# KiCad board Duet3_MB.kicad_pcb (continued)
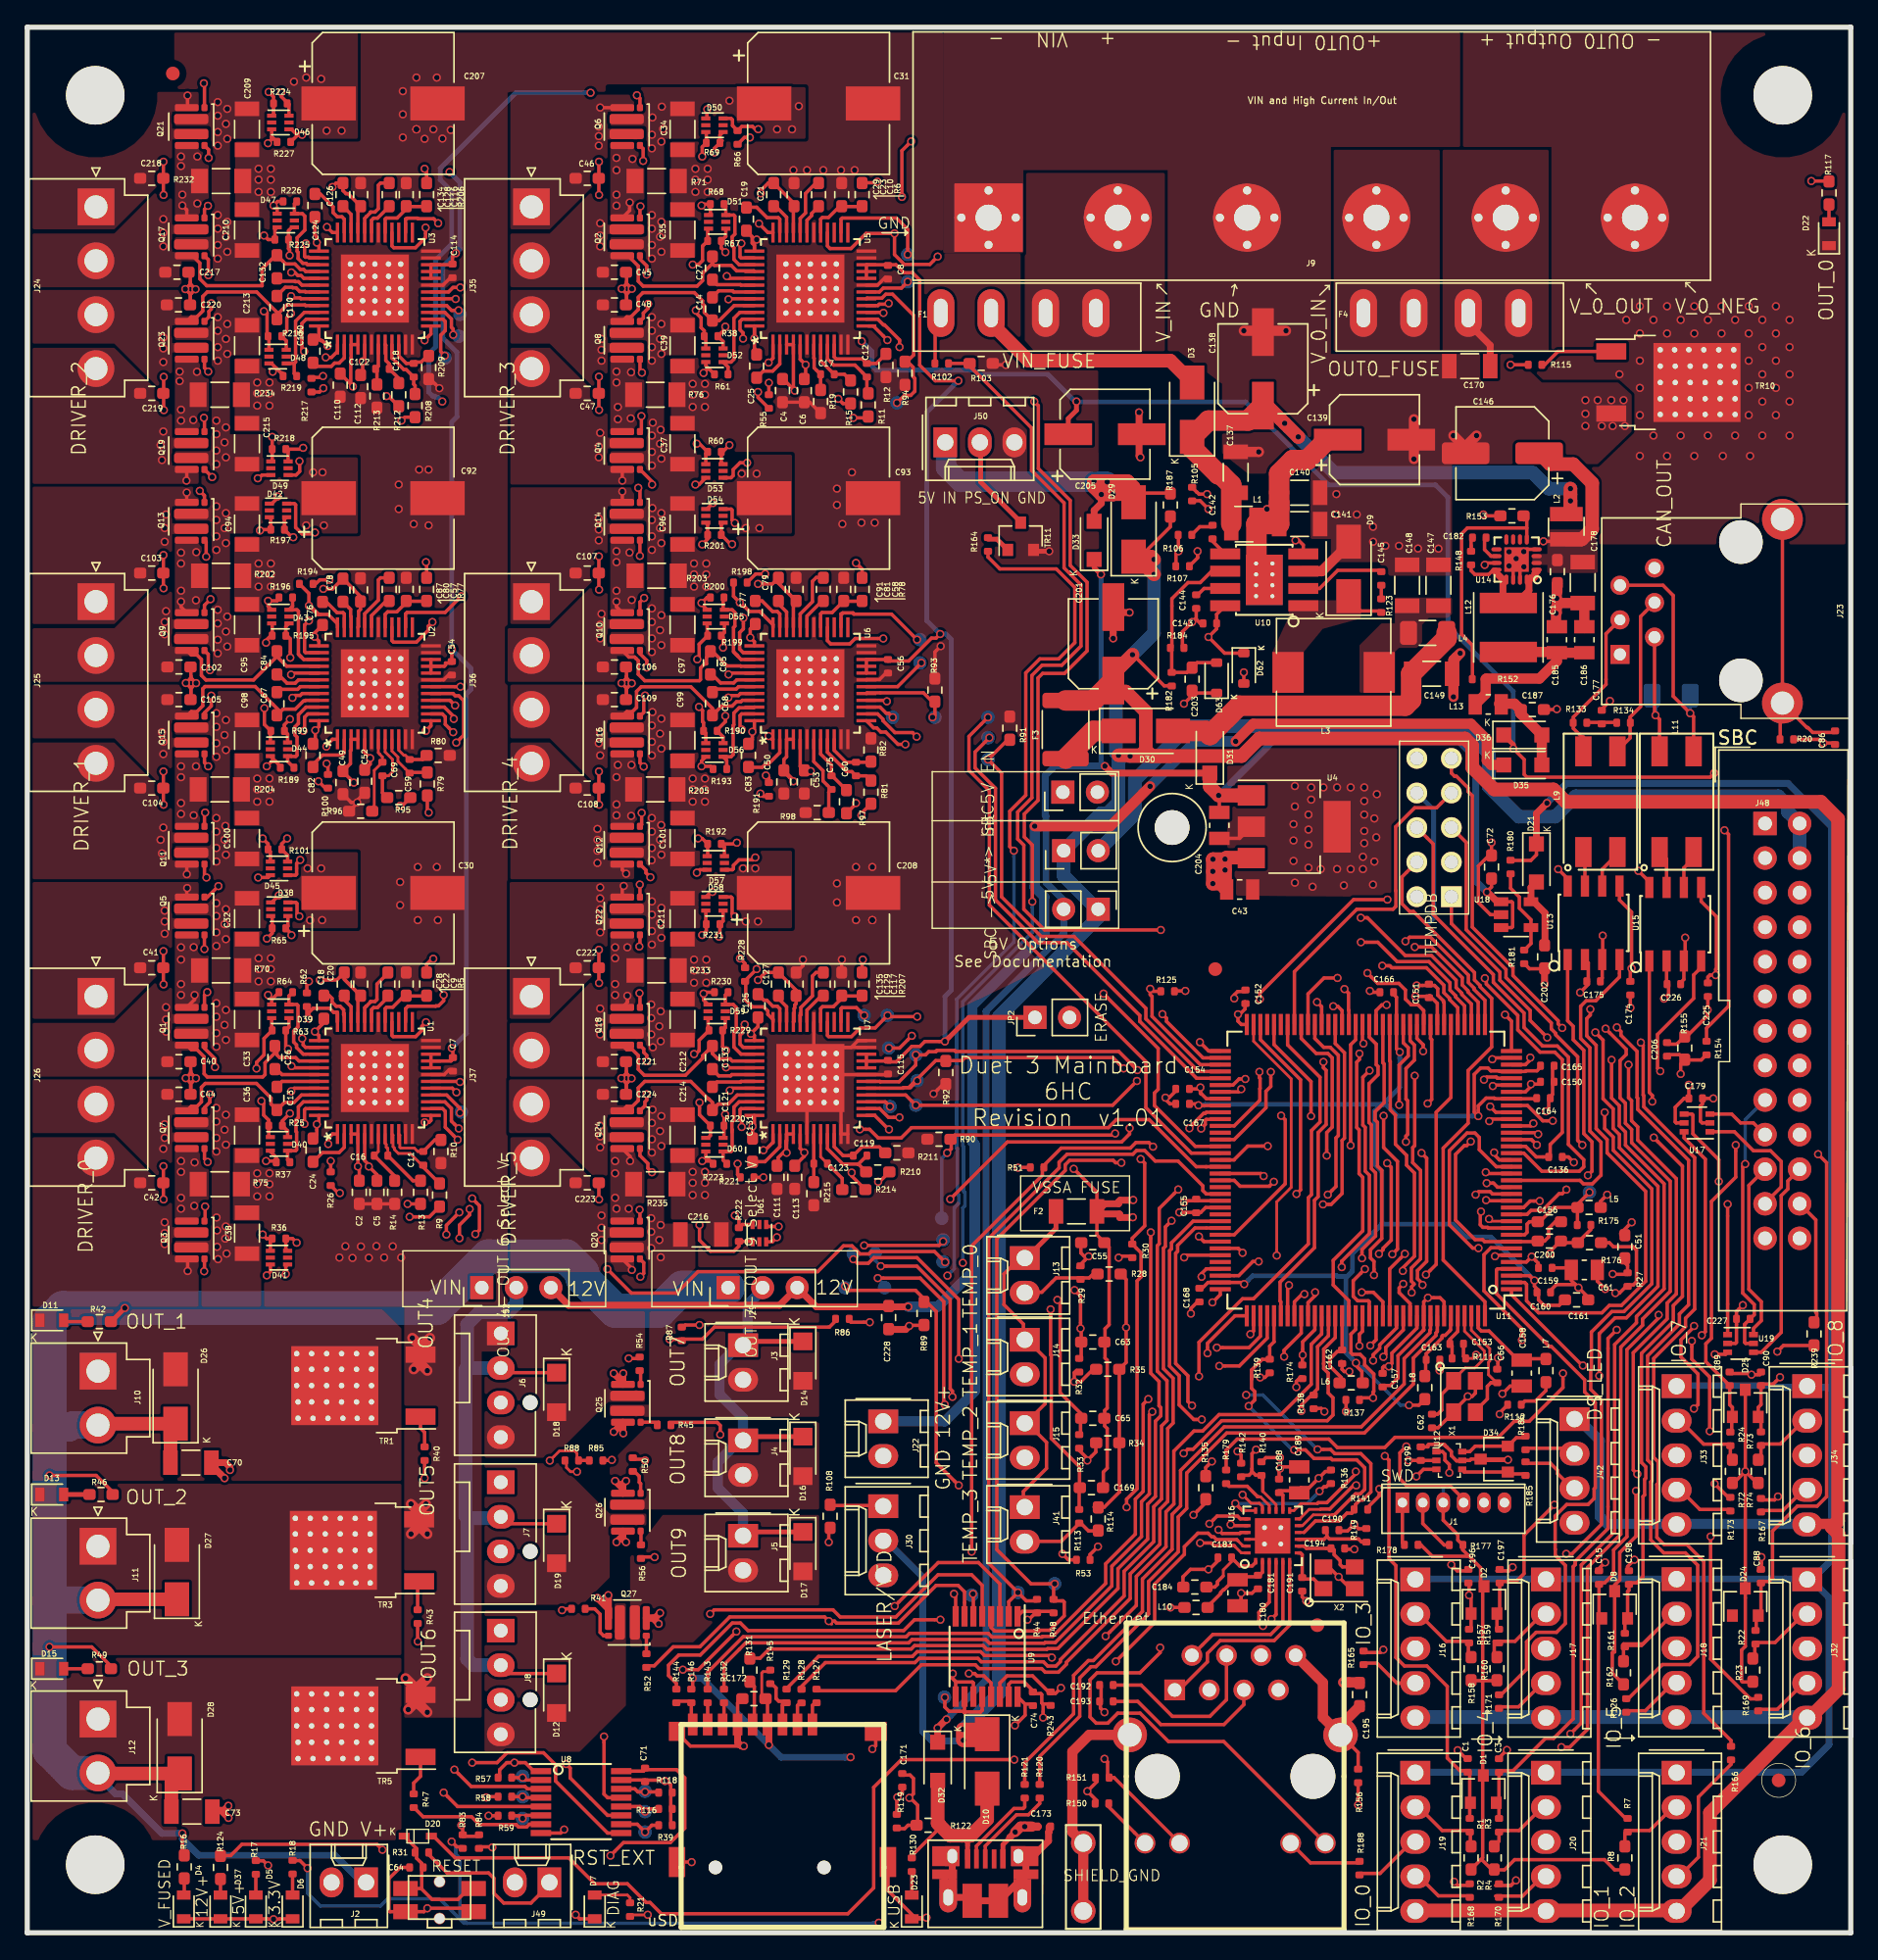
[diagram p0: board, top side]
## Routing (per net, layer and track width the routed paths; a pad name or vN(x,y) marks a point on that pad's centre or on a via; arc(x,y) is an arc through that point) (continued)
  Top w0.5: NT1.1 80.2,53.71 80.2,53.56 79.19,53.56 78.63,53 F2.2 78.8,52.81 80.25,52.81 80.28,52.78 NT2.1
  In1.Cu w0.25: v1(76.9,56.13) 77.32,56.13 77.5,55.95 81.8,55.95 83.37,57.52 89.15,57.52 90.14,58.51 92.96,58.51 93.82,59.37 104.84,59.37 v1(106.07,58.13)
VREFP: length 8.8
  Top w0.25: 113.91,52 113.91,53.23 113.89,53.25 ; U11.9 110.03,51.28 110.21,51.46 110.21,52.06 110.39,52.24 111.14,52.24 112.19,53.29 L5.2 113.92,53.52 v1(114.8,54.4)
Net-(C145-Pad1): length 1.1
  Top w0.25: 99.5,99.01 99.5,97.89
Net-(C173-Pad1): length 18
  Top w0.25: J43.CE 73.39,2.86 J43.CE
  Top w0.5: J43.CE 67.41,2.86 J43.CE ; J43.CE 67.97,2.9 J43.CE ; J43.CE 69.19,2.6 J43.CE J43.CE 71.44,2.35 J43.CE 73.39,5.54 J43.CE 73.93,5.63 75.05,6.75 75.05,7.38 75.09,7.42 75.09,7.8
Net-(C177-Pad2): length 2.3
  Top w0.25: 114.59,88.9 114.61,88.93 116.79,88.93 116.81,88.9
Net-(C182-Pad1): length 1.7
  Top w0.25: 106.31,102.5 106.1,102.29 106.1,101.39 106.1,101.93
Net-(C192-Pad1): length 13.2
  Top w0.25: 79.69,18.2 81.85,18.2 84.15,15.9 86.9,15.9 88.12,17.12 J46.4
Net-(C193-Pad1): length 12.1
  Top w0.25: 79.69,17 81.6,17 83.3,15.3 87.94,15.3 89.4,16.76 J46.5
Net-(D4-Pad2): length 1.2
  Top w0.25: 11.54,3.97 11.54,2.81 D4.2
Net-(D5-Pad2): length 1.5
  Top w0.25: 16.8,4.31 D5.2
Net-(D6-Pad2): length 1.6
  Top w0.25: 19.5,4.34 D6.2
Net-(D7-Pad2): length 3.2
  Top w0.2: D7.2 44.1,2.78 44.3,2.57 44.3,2.09
Net-(D11-Pad2): length 1.8
  Top w0.25: 4.43,44.9 2.77,44.9 D11.2
Net-(D13-Pad2): length 1.9
  Top w0.35: D13.2 4.55,32.2
Net-(D15-Pad2): length 1.8
  Top w0.25: 4.43,19.4 D15.2
Net-(D22-Pad2): length 1.2
  Top w0.25: 132.4,126.95 D22.2
Net-(D23-Pad2): length 1.7
  Top w0.25: 65,4.51 D23.2
Net-(D30-Pad1): length 4.7
  Top w1.5: F3.2 78.34,88.3 D30.1
Net-(D37-Pad2): length 1.2
  Top w0.25: D37.2 14.2,3.93
Net-(J30-Pad1): length 3.9
  Top w0.25: 59,31.39 62.85,31.39 J30.1
Net-(J43-Pad2): length 6.4
  Top w0.25: J43.2 69.75,6.38 72.5,9.13 73.19,9.13 73.3,9.24 73.3,9.91
Net-(J43-Pad3): length 6.7
  Top w0.25: J43.3 70.4,6.38 72.69,8.67 73.57,8.67 74.4,9.5 74.4,9.91
Net-(J46-Pad9): length 4.1
  Top w0.25: 79.36,9.5 79.36,9.36 J46.9
Net-(J46-Pad11): length 5.7
  Top w0.25: J46.11 94.3,5.14 97.9,5.14
Net-(L7-Pad2): length 2.8
  Top w0.25: 111.6,40.43 111.6,39.84 110.83,39.07 110.05,39.07 R112.2 109.77,38.8
Net-(L11-Pad1): length 2.8
  Top w0.25: U15.7 120.47,78.88 L11.1
Net-(L11-Pad2): length 2.9
  Top w0.25: L11.2 122.45,78.95 121.74,78.24 121.74,76.8

## Copper pours and planes (outline as drawn; the poured copper is in the pictures)
+3.3V on Bottom: 90,80 90,75.5 100.5,75.5 100.5,74.5 134,74.5 134,31.95 87.92,32.01 75.68,0 60,-0.06 60,13.4 68.7,13.4 68.7,45.74 68.7,80
/Power/5VIN_BUCK_IN on Bottom: 80.1,112.8 88.5,112.8 95.3,107.6 103.4,107.6 103.4,88.1 80.1,88
/Power/12V_VCC on Top: 111.7,101.3 110.6,101.3 110.6,100.5 111.7,100.5 111.7,99.9 115.4,99.9 115.4,103.1 111.7,103.1
GND on Top: 105.3,131.2 95.8,131.2 95.8,116 109.1,116 111.3,113.9 116.9,113.9 117.9,113 117.9,110.3 115.4,107.9 104.7,107.9 104.7,99.7 100.1,99.7 99.3,100.7 95.8,100.7 95.8,102.4 94.3,102.4 94.3,107.2 89.7,107.2 87.8,108.7 87.8,113.8 84.6,116.2 83.8,116.2 83.8,129.5 73.2,129.5 73.2,123.4 67.3,123.4 67.3,140.1 105.3,140.1
GND on Top: 15.1,46 27.7,46 27.7,15.8 33.4,15.8 33.4,42.7 35.3,42.7 35.3,135.2 47.3,135.2 47.3,46 68.5,46 68.5,67.9 78.89,72.87 78.7,114.8 73,114.9 73,123.3 67.4,129.1 67.4,140.1 15.3,140.1
GND on Top: 88.18,87.2 100.68,87.2 100.68,76.1 88.18,76.2
GND on Bottom: 108.4,100 108.4,101.6 107.5,101.6 107.5,103.5 104.8,103.5 104.8,106.9 115.8,106.9 115.8,93.3 111.4,93.3 111.4,100.4 110.5,100.4 110.4,100.3 110.4,100
GND on Bottom: 62.11,114.4 68.31,114.4 68.41,13.7 59.71,13.7 59.71,0 33.31,0.1 33.31,45.8 54.31,45.8 54.21,127.5 55.84,129.7 62.19,129.7
GND on Bottom: 22.3,49 32,49 32,135 30,135 22.2,127.3
GND on Bottom: 95.8,116 95.8,131.2 105.3,131.2 105.3,140.1 67.3,140.1 67.3,123.4 73.2,123.4 73.2,129.5 83.8,129.5 83.8,116.2 84.6,116.2 95.3,107.9 115.4,107.9 117.9,110.3 117.9,113 116.9,113.9 111.3,113.9 109.1,116
GND on Bottom: 88.18,84.1 88.18,87.2 100.68,87.2 100.68,76.1 90.68,76.1 90.68,84.1
GND on In2.Cu: 134,0 134,140 0,140 0.1,0
/Power/L3_OUT on Top: 97.9,91.1 97.9,94.6 99.5,96.2 100.5,96.2 100.5,98.1 104.7,98.1 104.7,96.9 104.4,96.6 103,96.6 102.5,96.1 102.5,94.8 102.1,94.4 100.8,94.4 100.4,94 100.4,91.1
/Power/LX on Top: 92.7,97.9 92.7,96.7 91.5,94.1 91.55,91.1 93.8,91.1 93.8,94.1 95.2,95.8 98,96.57 98,99.4 96.2,99.4 96.2,97.9
/Stepper Driver & Endstops/D0_SRAT on Top: 10.85,73.55 10.85,67.7 13.35,67.7 13.35,73.55
/Stepper Driver & Endstops/D0_SRAT on Bottom: 10.85,73.55 10.85,67.7 13.35,67.7 13.35,73.55
/Stepper Driver & Endstops/D0_SRBT on Top: 10.85,57.9 10.85,52.05 13.35,52.05 13.35,57.9
/Stepper Driver & Endstops/D0_SRBT on Bottom: 10.85,57.9 10.85,52.05 13.35,52.05 13.35,57.9
/Stepper Driver & Endstops/D1_SRAT on Top: 10.85,102.55 10.85,96.7 13.35,96.7 13.35,102.55
/Stepper Driver & Endstops/D1_SRAT on Bottom: 10.85,102.55 10.85,96.7 13.35,96.7 13.35,102.55
/Stepper Driver & Endstops/D1_SRBT on Top: 10.85,86.9 10.85,81.05 13.35,81.05 13.35,86.9
/Stepper Driver & Endstops/D1_SRBT on Bottom: 10.85,86.9 10.85,81.05 13.35,81.05 13.35,86.9
/Stepper Driver & Endstops/D2_SRAT on Top: 10.85,131.55 10.85,125.7 13.35,125.7 13.35,131.55
/Stepper Driver & Endstops/D2_SRAT on Bottom: 10.85,131.55 10.85,125.7 13.35,125.7 13.35,131.55
/Stepper Driver & Endstops/D2_SRBT on Top: 10.85,115.9 10.85,110.05 13.35,110.05 13.35,115.9
/Stepper Driver & Endstops/D2_SRBT on Bottom: 10.85,115.9 10.85,110.05 13.35,110.05 13.35,115.9
/Stepper Driver & Endstops/D3_SRAT on Top: 42.85,131.55 42.85,125.7 45.35,125.7 45.35,131.55
/Stepper Driver & Endstops/D3_SRAT on Bottom: 42.85,131.55 42.85,125.7 45.35,125.7 45.35,131.55
/Stepper Driver & Endstops/D3_SRBT on Top: 42.85,115.9 42.85,110.05 45.35,110.05 45.35,115.9
/Stepper Driver & Endstops/D3_SRBT on Bottom: 42.85,115.9 42.85,110.05 45.35,110.05 45.35,115.9
/Stepper Driver & Endstops/D4_SRAT on Top: 42.85,102.55 42.85,96.7 45.35,96.7 45.35,102.55
/Stepper Driver & Endstops/D4_SRAT on Bottom: 42.85,102.55 42.85,96.7 45.35,96.7 45.35,102.55
/Stepper Driver & Endstops/D4_SRBT on Top: 42.85,86.9 42.85,81.05 45.35,81.05 45.35,86.9
/Stepper Driver & Endstops/D4_SRBT on Bottom: 42.85,86.9 42.85,81.05 45.35,81.05 45.35,86.9
/Stepper Driver & Endstops/D5_SRAT on Top: 42.85,73.55 42.85,67.7 45.35,67.7 45.35,73.55
/Stepper Driver & Endstops/D5_SRAT on Bottom: 42.85,73.55 42.85,67.7 45.35,67.7 45.35,73.55
/Stepper Driver & Endstops/D5_SRBT on Top: 42.85,57.9 42.85,52.05 45.35,52.05 45.35,57.9
/Stepper Driver & Endstops/D5_SRBT on Bottom: 42.85,57.9 42.85,52.05 45.35,52.05 45.35,57.9
DRIVER_0_A+ on Top: 0.2,67.15 6.4,67.15 10.65,71.4 10.65,73.75 13.3,73.75 13.3,74.55 10.65,74.55 10.65,75.8 12.6,75.8 12.6,77.2 0.2,77.2
DRIVER_0_A+ on Bottom: 0.2,67.15 6.4,67.15 10.65,71.4 10.65,73.75 13.3,73.75 13.3,74.55 10.65,74.55 10.65,75.8 12.6,75.8 12.6,77.2 0.2,77.2
DRIVER_0_A- on Top: 10.65,67.5 13.35,67.5 13.35,66.8 10.65,66.8 10.65,65.5 12.6,65.5 12.6,64.8 11.35,64.8 11.35,62.9 0.2,62.9 0.2,66.85 6.4,66.85 10.65,71.05
DRIVER_0_A- on Bottom: 10.65,67.5 13.35,67.5 13.35,66.8 10.65,66.8 10.65,65.5 12.6,65.5 12.6,64.8 11.35,64.8 11.35,62.9 0.2,62.9 0.2,66.85 6.4,66.85 10.65,71.05
DRIVER_0_B+ on Top: 11.35,60.8 12.6,60.8 12.6,60.1 10.65,60.1 10.65,58.8 13.35,58.8 13.35,58.1 10.65,58.1 10.65,54.5 6.4,58.75 0.2,58.75 0.2,62.7 11.35,62.7
DRIVER_0_B+ on Bottom: 11.35,60.8 12.6,60.8 12.6,60.1 10.65,60.1 10.65,58.8 13.35,58.8 13.35,58.1 10.65,58.1 10.65,54.5 6.4,58.75 0.2,58.75 0.2,62.7 11.35,62.7
DRIVER_0_B- on Top: 0.2,58.45 6.4,58.45 10.65,54.2 10.65,51.85 13.3,51.85 13.3,51.05 10.65,51.05 10.65,49.8 12.6,49.8 12.6,46 0.2,46
DRIVER_0_B- on Bottom: 0.2,58.45 6.4,58.45 10.65,54.2 10.65,51.85 13.3,51.85 13.3,51.05 10.65,51.05 10.65,49.8 12.6,49.8 12.6,47.9 0.2,47.9
DRIVER_1_A+ on Top: 0.2,96.15 6.4,96.15 10.65,100.4 10.65,102.75 13.3,102.75 13.3,103.55 10.65,103.55 10.65,104.8 12.6,104.8 12.6,106.25 0.2,106.25
DRIVER_1_A+ on Bottom: 0.2,96.15 6.4,96.15 10.65,100.4 10.65,102.75 13.3,102.75 13.3,103.55 10.65,103.55 10.65,104.8 12.6,104.8 12.6,106.25 0.2,106.25
DRIVER_1_A- on Top: 10.65,96.5 13.35,96.5 13.35,95.8 10.65,95.8 10.65,94.5 12.6,94.5 12.6,93.8 11.35,93.8 11.35,91.9 0.2,91.9 0.2,95.85 6.4,95.85 10.65,100.1
DRIVER_1_A- on Bottom: 0.2,91.9 11.35,91.9 11.35,93.8 12.6,93.8 12.6,94.5 10.65,94.5 10.65,95.8 13.35,95.8 13.35,96.5 10.65,96.5 10.65,100.1 6.4,95.85 0.2,95.85
DRIVER_1_B+ on Top: 11.35,89.8 12.6,89.8 12.6,89.1 10.65,89.1 10.65,87.8 13.35,87.8 13.35,87.1 10.65,87.1 10.65,83.5 6.4,87.75 0.2,87.75 0.2,91.7 11.35,91.7
DRIVER_1_B+ on Bottom: 11.35,89.8 12.6,89.8 12.6,89.1 10.65,89.1 10.65,87.8 13.35,87.8 13.35,87.1 10.65,87.1 10.65,83.5 6.4,87.75 0.2,87.75 0.2,91.7 11.35,91.7
DRIVER_1_B- on Top: 0.2,87.45 6.4,87.45 10.65,83.2 10.65,80.85 13.3,80.85 13.3,80.05 10.65,80.05 10.65,78.8 12.6,78.8 12.6,77.4 0.2,77.4
DRIVER_1_B- on Bottom: 0.2,87.45 6.4,87.45 10.65,83.2 10.65,80.85 13.3,80.85 13.3,80.05 10.65,80.05 10.65,78.8 12.6,78.8 12.6,77.4 0.2,77.4
DRIVER_2_A+ on Top: 0.2,125.15 6.4,125.15 10.65,129.4 10.65,131.75 13.3,131.75 13.3,132.55 10.65,132.55 10.65,133.8 12.6,133.8 12.6,135.25 0.2,135.25
DRIVER_2_A+ on Bottom: 0.2,125.15 6.4,125.15 10.65,129.4 10.65,131.75 13.3,131.75 13.3,132.55 10.65,132.55 10.65,133.8 12.6,133.8 12.6,135.25 0.2,135.25
DRIVER_2_A- on Top: 0.2,120.9 11.35,120.9 11.35,122.8 12.6,122.8 12.6,123.5 10.65,123.5 10.65,124.8 13.35,124.8 13.35,125.5 10.65,125.5 10.65,129.1 6.4,124.85 0.2,124.85
DRIVER_2_A- on Bottom: 0.2,120.9 11.35,120.9 11.35,122.8 12.6,122.8 12.6,123.5 10.65,123.5 10.65,124.8 13.35,124.8 13.35,125.5 10.65,125.5 10.65,129.1 6.4,124.85 0.2,124.85
DRIVER_2_B+ on Top: 11.35,118.8 12.6,118.8 12.6,118.1 10.65,118.1 10.65,116.8 13.35,116.8 13.35,116.1 10.65,116.1 10.65,112.5 6.4,116.75 0.2,116.75 0.2,120.7 11.35,120.7
DRIVER_2_B+ on Bottom: 11.35,118.8 12.6,118.8 12.6,118.1 10.65,118.1 10.65,116.8 13.35,116.8 13.35,116.1 10.65,116.1 10.65,112.5 6.4,116.75 0.2,116.75 0.2,120.7 11.35,120.7
DRIVER_2_B- on Top: 0.2,116.45 6.4,116.45 10.65,112.2 10.65,109.85 13.3,109.85 13.3,109.05 10.65,109.05 10.65,107.8 12.6,107.8 12.6,106.45 0.2,106.45
DRIVER_2_B- on Bottom: 0.2,116.45 6.4,116.45 10.65,112.2 10.65,109.85 13.3,109.85 13.3,109.05 10.65,109.05 10.65,107.8 12.6,107.8 12.6,106.45 0.2,106.45
DRIVER_3_A+ on Top: 35.5,125.15 38.4,125.15 42.65,129.4 42.65,131.75 45.3,131.75 45.3,132.55 42.65,132.55 42.65,133.8 44.6,133.8 44.6,135.05 35.5,135.05
DRIVER_3_A+ on Bottom: 32.2,125.15 38.4,125.15 42.65,129.4 42.65,131.75 45.3,131.75 45.3,132.55 42.65,132.55 42.65,133.8 44.6,133.8 44.6,135.05 32.2,135.05
DRIVER_3_A- on Top: 42.65,125.5 45.35,125.5 45.35,124.8 42.65,124.8 42.65,123.5 44.6,123.5 44.6,122.8 43.35,122.8 43.35,120.9 35.5,120.9 35.5,124.85 38.4,124.85 42.65,129.1
DRIVER_3_A- on Bottom: 42.65,125.5 45.35,125.5 45.35,124.8 42.65,124.8 42.65,123.5 44.6,123.5 44.6,122.8 43.35,122.8 43.35,120.9 32.2,120.9 32.2,124.85 38.4,124.85 42.65,129.1
DRIVER_3_B+ on Top: 43.35,118.8 44.6,118.8 44.6,118.1 42.65,118.1 42.65,116.8 45.35,116.8 45.35,116.1 42.65,116.1 42.65,112.5 38.4,116.75 35.5,116.75 35.5,120.7 43.35,120.7
DRIVER_3_B+ on Bottom: 43.35,118.8 44.6,118.8 44.6,118.1 42.65,118.1 42.65,116.8 45.35,116.8 45.35,116.1 42.65,116.1 42.65,112.5 38.4,116.75 32.2,116.75 32.2,120.7 43.35,120.7
DRIVER_3_B- on Top: 35.5,116.45 38.4,116.45 42.65,112.2 42.65,109.85 45.3,109.85 45.3,109.05 42.65,109.05 42.65,107.8 44.6,107.8 44.6,106.4 35.5,106.4
DRIVER_3_B- on Bottom: 32.2,116.45 38.4,116.45 42.65,112.2 42.65,109.85 45.3,109.85 45.3,109.05 42.65,109.05 42.65,107.8 44.6,107.8 44.6,106.4 32.2,106.4
DRIVER_4_A+ on Top: 35.5,96.15 38.4,96.15 42.65,100.4 42.65,102.75 45.3,102.75 45.3,103.55 42.65,103.55 42.65,104.8 44.6,104.8 44.6,106.2 35.5,106.2
DRIVER_4_A+ on Bottom: 32.2,96.15 38.4,96.15 42.65,100.4 42.65,102.75 45.3,102.75 45.3,103.55 42.65,103.55 42.65,104.8 44.6,104.8 44.6,106.2 32.2,106.2
DRIVER_4_A- on Top: 42.65,96.5 45.35,96.5 45.35,95.8 42.65,95.8 42.65,94.5 44.6,94.5 44.6,93.8 43.35,93.8 43.35,91.9 35.3,91.9 35.3,95.85 38.4,95.85 42.65,100.1
DRIVER_4_A- on Bottom: 42.65,96.5 45.35,96.5 45.35,95.8 42.65,95.8 42.65,94.5 44.6,94.5 44.6,93.8 43.35,93.8 43.35,91.9 32.2,91.9 32.2,95.85 38.4,95.85 42.65,100.1
DRIVER_4_B+ on Top: 43.35,89.8 44.6,89.8 44.6,89.1 42.65,89.1 42.65,87.8 45.35,87.8 45.35,87.1 42.65,87.1 42.65,83.5 38.4,87.75 35.5,87.75 35.5,91.7 43.35,91.7
DRIVER_4_B+ on Bottom: 43.35,89.8 44.6,89.8 44.6,89.1 42.65,89.1 42.65,87.8 45.35,87.8 45.35,87.1 42.65,87.1 42.65,83.5 38.4,87.75 32.2,87.75 32.2,91.7 43.35,91.7
DRIVER_4_B- on Top: 35.5,87.45 38.4,87.45 42.65,83.2 42.65,80.85 45.3,80.85 45.3,80.05 42.65,80.05 42.65,78.8 44.6,78.8 44.6,77.4 35.5,77.4
DRIVER_4_B- on Bottom: 32.2,87.45 38.4,87.45 42.65,83.2 42.65,80.85 45.3,80.85 45.3,80.05 42.65,80.05 42.65,78.8 44.6,78.8 44.6,77.4 32.2,77.4
DRIVER_5_A+ on Top: 35.45,67.15 38.4,67.15 42.65,71.4 42.65,73.75 45.3,73.75 45.3,74.55 42.65,74.55 42.65,75.8 44.6,75.8 44.6,77.2 35.45,77.2
DRIVER_5_A+ on Bottom: 32.2,67.15 38.4,67.15 42.65,71.4 42.65,73.75 45.3,73.75 45.3,74.55 42.65,74.55 42.65,75.8 44.6,75.8 44.6,77.2 32.2,77.2
DRIVER_5_A- on Top: 42.65,67.5 45.35,67.5 45.35,66.8 42.65,66.8 42.65,65.5 44.6,65.5 44.6,64.8 43.35,64.8 43.35,62.9 35.45,62.9 35.45,66.85 38.4,66.85 42.65,71.1
DRIVER_5_A- on Bottom: 42.65,67.5 45.35,67.5 45.35,66.8 42.65,66.8 42.65,65.5 44.6,65.5 44.6,64.8 43.35,64.8 43.35,62.9 32.2,62.9 32.2,66.85 38.4,66.85 42.65,71.1
DRIVER_5_B+ on Top: 43.35,60.8 44.6,60.8 44.6,60.1 42.65,60.1 42.65,58.8 45.35,58.8 45.35,58.1 42.65,58.1 42.65,54.55 38.4,58.75 35.4,58.75 35.4,62.7 43.35,62.7
DRIVER_5_B+ on Bottom: 43.35,60.8 44.6,60.8 44.6,60.1 42.65,60.1 42.65,58.8 45.35,58.8 45.35,58.1 42.65,58.1 42.65,54.55 38.4,58.75 32.2,58.75 32.2,62.7 43.35,62.7
DRIVER_5_B- on Top: 35.5,58.45 38.4,58.45 42.65,54.2 42.65,51.85 45.3,51.85 45.3,51.05 42.65,51.05 42.65,49.8 44.6,49.8 44.6,48.55 35.5,48.55
DRIVER_5_B- on Bottom: 32.2,58.45 38.4,58.45 42.65,54.2 42.65,51.85 45.3,51.85 45.3,51.05 42.65,51.05 42.65,49.8 44.6,49.8 44.6,48.55 42.4,48.5 40,51.2 32.2,51.2
OUT_0_NEG on Top: 104,106.3 104,116 112,116 112,131.2 105.5,131.2 105.5,140.1 134.2,140.1 134.2,102 115.5,102 115.5,106.3
OUT_0_NEG on Bottom: 113.4,105.1 110.7,107.7 108.7,107.7 108.7,116 112,116 112,131.2 105.5,131.2 105.5,140.1 134.2,140.1 134.2,102 115.5,102 115.5,102.9
OUT_1_NEG on Top: 0.1,45.8 26.08,45.8 27.5,44.4 27.5,33.2 0.1,33.2
OUT_1_NEG on Bottom: 4.8,43.4 16.6,43.4 17.5,44.4 31,44.4 31,33.2 4.8,33.2
OUT_2_NEG on Top: 0.1,33 27.5,33 27.5,20.4 0,20.4
OUT_2_NEG on Bottom: 4,33 31,33 31,20.4 4,20.4
OUT_3_NEG on Top: 0,20.2 27.5,20.2 27.5,6.8 0,6.8
OUT_3_NEG on Bottom: 4,20.2 31,20.2 31,5.8 4,5.8
OUT_4_NEG on Top: 33.6,45.7 45.4,45.7 45.4,39 42.7,39 38.6,34.9 33.6,34.9
OUT_5_NEG on Top: 33.6,34.5 39.1,34.5 42.8,30.8 45.5,30.8 45.5,29.9 42.8,29.9 42.8,26.1 40.8,24.1 33.6,24.1
OUT_6_NEG on Top: 33.6,23.7 41,23.7 41.5,24.2 44,24.2 44,16.7 40.6,13.3 33.6,13.3
OUT_7_NEG on Top: 42.8,38.8 45.7,38.8 45.7,45.7 58.2,45.7 58.2,37.9 42.8,37.9
OUT_8_NEG on Top: 58.2,37.5 45.8,37.5 42.8,34.5 42.8,31.1 58.2,31.1
OUT_9_NEG on Top: 44.3,27.6 46.7,30.7 58.2,30.7 58.2,23.1 50.7,23.1 48.6,21 44.3,21
V_FUSED on Top: 42.7,135.6 42.7,46 49.1,46 49.1,52.1 46.8,52.1 46.8,57.9 49.1,57.9 49.1,67.8 46.8,67.8 46.8,73.8 56.2,73.8 56.2,79.5 49.1,79.5 49.1,81.1 46.8,81.1 46.8,86.9 49.1,86.9 49.1,96.8 46.8,96.8 46.8,102.8 56.2,102.8 56.2,108.6 49.2,108.6 49.2,110.1 46.8,110.1 46.8,115.9 49.1,115.9 49.1,125.8 46.8,125.8 46.8,131.8 57.2,131.8 57.2,135.6
V_FUSED on Top: 10.8,139.8 10.8,46 17.2,46 17.2,52.1 14.9,52.1 14.9,57.9 17.2,57.9 17.2,67.8 14.9,67.8 14.9,73.8 24.3,73.8 24.3,79.4 17.2,79.4 17.2,81.1 14.9,81.1 14.9,86.9 17.2,86.9 17.2,96.8 14.9,96.8 14.9,102.8 24.3,102.8 24.3,108.4 17.3,108.4 17.3,110.1 14.9,110.1 14.9,115.9 17.2,115.9 17.2,125.8 14.9,125.8 14.9,131.8 24.3,131.8 24.3,139.8
V_FUSED on Bottom: 67.1,123.57 73.1,123.57 73.1,114.97 62.3,114.97 62.3,130.37 55.7,130.37 54,128.17 54,46.17 42.8,46.17 42.8,46.37 41.5,46.37 39.3,48.57 35.9,48.57 33.7,46.37 33.1,46.37 33.1,44.97 17.3,44.97 16.5,44.07 4.6,44.07 4.6,34.37 3.8,33.47 3.8,13.47 6.2,13.47 6.6,13.07 6.6,10.77 6.3,10.47 0.2,10.47 0.2,48.07 10.8,48.07 10.8,140.17 67.1,140.17 ; 1 cut-out
V_IN on Top: 83.6,129.4 73.3,129.4 73.3,117 74,116.2 83.6,116.2
V_IN on Bottom: 83.6,129.4 73.3,129.4 73.3,117 74,116.2 83.6,116.2
V_OUT0_IN on Top: 103.8,116.2 103.8,131 96,131 96,116.2
V_OUT0_IN on Bottom: 103.8,116.2 103.8,131 96,131 96,116.2
V_OUT0_OUT on Top: 111.8,116.2 111.8,131 104,131 104,116.2
V_OUT0_OUT on Bottom: 111.8,116.2 111.8,131 104,131 104,116.2

## Text on the board
B.Mask: www.duet3d.com
B.SilkS: +5V / DS DO / DS CK / GND | 5V Options / See Documentation | R109 - Normally DNP / 120R for CAN0 / Termination | PCB batch: / # 202006 | 3.3V / IO_7_IN / GND / IO_7_OUT / 5V | OUT_3 | OUT_1 | OUT_2 | DRIVER_1_A+ / DRIVER_1_A- / DRIVER_1_B+ / DRIVER_1_B- | DRIVER_2_A+ / DRIVER_2_A- / DRIVER_2_B+ / DRIVER_2_B- | DRIVER_0_A+ / DRIVER_0_A- / DRIVER_0_B+ / DRIVER_0_B- | RESET | GND / V_ OUTLC1 / OUT4_TACHO / OUT4_NEG | GND / V_ OUTLC1 / OUT6_TACHO / OUT6_NEG | GND / V_ OUTLC1 / OUT5_TACHO / OUT5_NEG | RESET_EXT | DRIVER_5_A+ / DRIVER_5_A- / DRIVER_5_B+ / DRIVER_5_B- | DRIVER_3_A+ / DRIVER_3_A- / DRIVER_3_B+ / DRIVER_3_B- | DRIVER_4_A+ / DRIVER_4_A- / DRIVER_4_B+ / DRIVER_4_B- | V_ OUTLC2 / OUT8_NEG | V_ OUTLC2 / OUT9_NEG | V_ OUTLC2 / OUT7_NEG | uSD | OUT9 / BUFF / 5V / GND | 12V / GND | VSSA / THERM_3 | VSSA / THERM_2 | VSSA / THERM_1 | VSSA / THERM_0 | ERASE | 3.3V / IO_0_IN / GND / IO_0_OUT / 5V | 3.3V / IO_3_IN / GND / IO_3_OUT / 5V | TEMP DB | U0_CS3  NC / U0_CS2  +3.3V / MOSI    MISO / U0_CS0  SCK / U0_CS1  GND | SWD | 3.3V / IO_1_IN / GND / IO_1_OUT / 5V | 3.3V / IO_4_IN / GND / IO_4_OUT / 5V | 3.3V / IO_5_IN / GND / IO_5_OUT / 5V | 3.3V / IO_2_IN / GND / IO_2_OUT / 5V | RPI_3.3V / MOSI / MISO / SPCK / GND | 3.3V / IO_8_IN / GND / IO_8_OUT / 5V | 3.3V / IO_6_IN / GND / IO_6_OUT / 5V | SBC | VIN_FUSE | SBC -> 5V* / (bypass / protection) | 5V -> SBC | INTERNAL / 5V EN | VIN | OUT0 / INPUT | OUT0_FUSE | OUT0 / OUTPUT | OUT3_NEG / V_FUSED | OUT1_NEG / V_FUSED | OUT2_NEG / V_FUSED | CAN1_H | CAN0_L | CAN0_H | CAN1_L | GND | 26   25 | 2   1 | GND / CS0 | 5V / 5V / GND | DIAG | USB | 5V_IN / PS_ON_SW / GND | V_FUSED | +12V | +5V | +3.3V | V_FUSED / GND | 12V / V_OUTLC2 / V_FUSED | OUT_6 | OUT_4 | OUT_5 | 12V / V_OUTLC1 / V_FUSED | OUT_9 | OUT_7 | OUT_8 | TEMP0 | TEMP1 | TEMP3 | TEMP4 | SHEILD / GND | TD+ | TD- | RD+ | RD- | SWDIO | SWCLK | 3.3V | SWD_EXT_RST | IO_7 | IO_6 | CAN_OUT | IO_8 | V_IN | V_OUT0_IN | V_OUT0_OUT | V_OUT0_NEG | V_IN / V_FUSED | V_OUT0_OUT / V_OUT0_IN | IO_3 | IO_0 | IO_4 | IO_1 | IO_5 | IO_2 | - | +
F.SilkS: GND | 5V Options / See Documentation | uSD | VIN | 12V | V_0_OUT | V_0_NEG | V_IN | V_0_IN | +   VIN   - | +OUT0 Input - | - OUT0 Output + | Duet 3 Mainboard / 6HC / Revision  v1.01
